# Altium PCB CanMainControl.PcbDoc (continued)
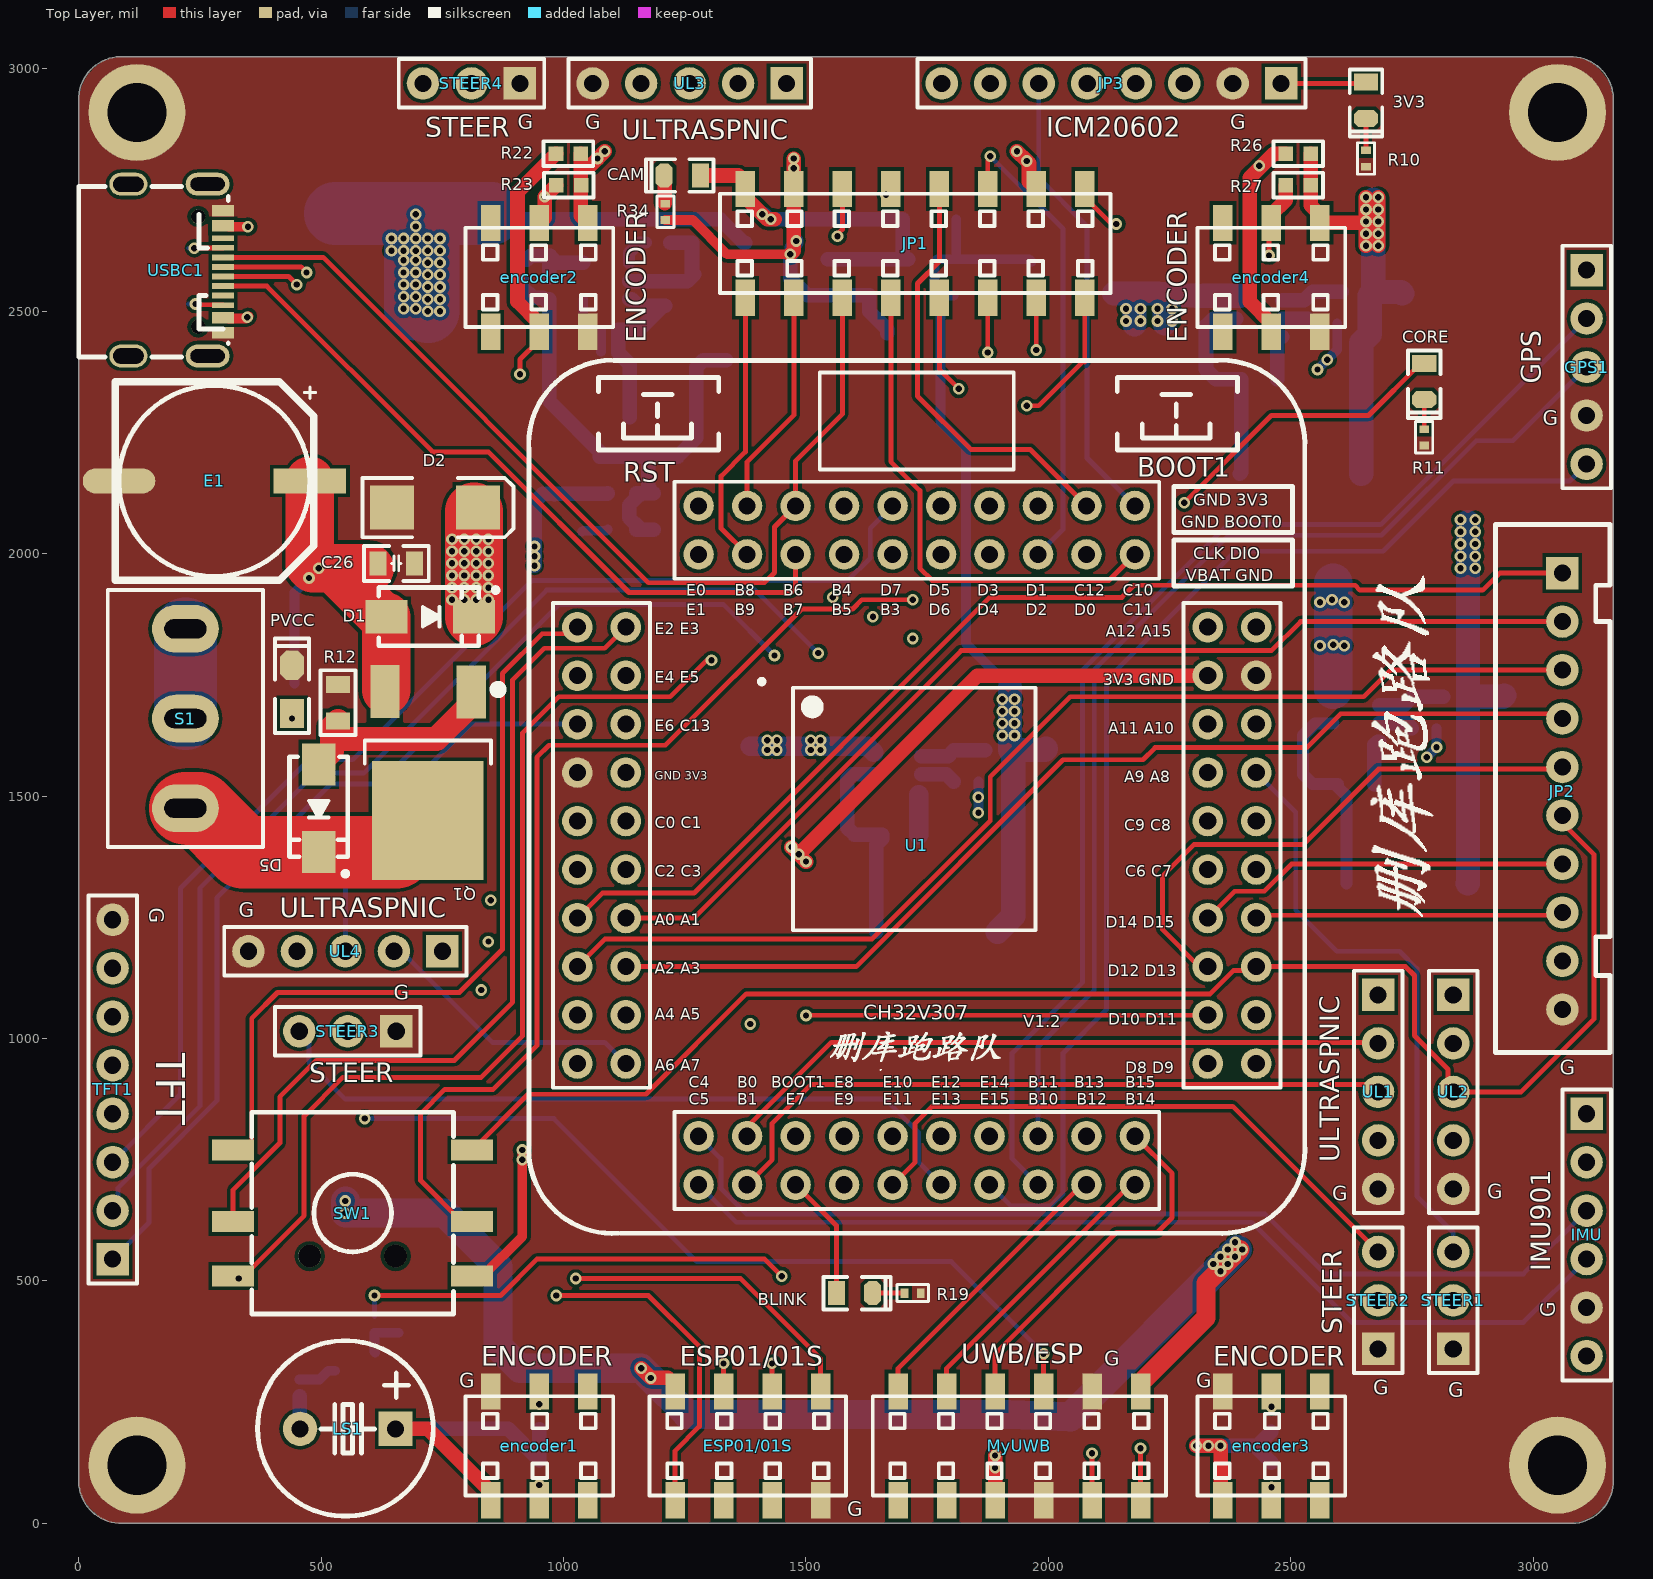
[diagram p0: Top Layer view]
## Footprints (in the part's own frame and the unit in brackets; to place one, negate y for a bottom-side part, rotate by r counter-clockwise, add the part's x,y. Pads: shape width x height; smd on the part's side, far side on the other; paste and mask are expansions set on the pad) (continued)
  silkscreen extent -6.73,-4.06 6.73,4.06, body extent -6.6,-3.95 6.6,3.95, height 30.12
R0402_L [mm] "1/16W贴片电阻"
  rect 0.4x0.5 smd: 1(-0.425,0) 2(0.425,0)
  silkscreen extent -0.82,-0.45 0.83,0.45, body extent -0.5,-0.25 0.5,0.25, height 0.3
R0603_L [mil] "1/10W贴片电阻"
  rect 30x30 smd: 1(-25.59,0) 2(25.59,0)
  silkscreen extent -51,-26 51,26, body extent -31,-16 32,16, height 16
R0805_L [mil] "1/8W贴片电阻"
  rect 35x50 smd: 1(-37.4,0) 2(37.4,0)
  silkscreen extent -67,-36 67,36, body extent -39,-25 39,25, height 20
SMA [mm] "4.5x2.6*2.2mm（长宽高，不包括引脚）联系卖家 免费查找封装"
  rect 2.2x1.75 smd: 1(-2.3,0) 2(2.3,0)
  silkscreen extent -2.7,-1.52 3.56,1.52, body extent -2.55,-1.3 2.55,1.3, height 2.15
SMB [mm] "DO-214-AA/SMB; 2 C-Bend Leads; Body 5.3 x 3.6 mm, inc. leads (LxW)"
  rect 2.3x2.3 smd: 1(-2.25,0) 2(2.25,0)
  silkscreen extent -3.8,-1.55 4.1,1.55
SOD-323 [mm] "1.8x1.3X0.9mm（长宽高，不包括引脚）联系卖家 免费查找封装"
  rect 1x0.8 smd: 1(-1.4,0)
  oct 1x0.8 smd: 2(1.4,0)
  silkscreen extent -2.11,-0.76 2.11,0.76, body extent -1.32,-0.65 1.32,0.65, height 0.95
SOT23-3N [mm] "SOT23, 3-Leads, Body 2.9x1.3mm, Pitch 0.95mm, Lead Span 2.4mm, IPC Medium Density"
  rect 1.3x0.6 smd: 1(-1.05,0.95) 2(-1.05,-0.95) 3(1.05,0)
  silkscreen extent -1.18,-1.5 0.7,1.92, body extent -1.2,-1.5 1.2,1.5, height 1.05
SOT23-5 [mm] "SOT23, 5-Leads, Body 2.9x1.6mm, Pitch 0.95mm, IPC Medium Density                联系卖家 免费查找封装"
  rect 1.05x0.6 smd: 1(-1.2,0.95) 2(-1.2,0) 3(-1.2,-0.95) 4(1.2,-0.95) 5(1.2,0.95)
  silkscreen extent -1.32,-1.55 0.3,1.92, body extent -1.4,-1.5 1.4,1.5, height 1.15
SOT23-6 [mm] "SOT-23, 6-Leads, Body 2.90x1.60mm, Pitch 0.95mm, IPC High Density"
  rect 0.9x0.6 smd: 1(-1.2,0.95) 2(-1.2,0) 3(-1.2,-0.95) 4(1.2,-0.95) 5(1.2,0) 6(1.2,0.95)
  silkscreen extent -1.32,-1.55 0.35,1.92, body extent -1.4,-1.5 1.4,1.5, height 1.15
SOT23-6N [mm] "SOT-23, 6-Leads, Body 2.90x1.60mm, Pitch 0.95mm, IPC Medium Density"
  rect 1.1x0.6 smd: 1(-1.2,0.95) 2(-1.2,0) 3(-1.2,-0.95) 4(1.2,-0.95) 5(1.2,0) 6(1.2,0.95)
  silkscreen extent -1.32,-1.55 0.25,1.92, body extent -1.4,-1.5 1.4,1.5, height 1.15
"SW 10x10x9-5Key-LS" [mm] "6脚，长：10.5，宽：10，高：9mm"
  round 1.2 hole 1.2: 0(-2.25,2.25) 0(2.25,2.25)
  rect 2.2x1.1 smd: 1(-6.262,3.3) 2(-6.262,0.45) 3(-6.262,-3.3) 4(6.262,-3.3) 5(6.262,0.45) 6(6.262,3.3)
  silkscreen extent -5.29,-5.29 5.29,5.29, body extent -6.5,-5.16 6.5,5.16, height 0.15
TO252 [mil] "252晶体管                联系卖家 免费查找封装"
  rect 60x110 smd: 1(-89.55,-119.77) 3(88.45,-120.77)
  rect 230x245 smd: 2(0,145.35)
  silkscreen extent -153,-133 130,28, body extent -133,-155 133,243, height 98
USB-C-SMD_TYPE-C-USB-5 [mm]
  oval 1.2x2.3 hole 0.7 slot 1.8 at 90 deg: 0(-4.5,1.675) 0(4.5,1.675)
  oval 1.2x2 hole 0.8 slot 1.6 at 90 deg: 0(-4.5,-2.475) 0(4.5,-2.475)
  rect 0.3x1.15 smd: A1(-3.263,2.473) A4(-2.462,2.471) A5(-1.162,2.475) A6(-0.162,2.475) A7(0.337,2.473) A9(2.638,2.475) A12(3.438,2.475) B1(3.138,2.475) B4(2.337,2.475) B5(1.838,2.475) B6(0.838,2.475) B7(-0.663,2.473) B9(-2.162,2.471) B12(-2.963,2.473)
  rect 0.3x1.148 smd: A8(-1.663,2.475) B8(1.337,2.475)
  round 0.75 hole 0.75 unplated: ""(-2.803,1.175) ""(2.978,1.175)
  silkscreen extent -4.38,-5.08 4.56,2.75, body extent -4.34,-5.14 4.6,2.76, height 3.25
XH2.54-LI-10P [mm] "接插件，10P"
  rect 1.7x1.7 hole 0.9: 1(-11.43,0)
  round 1.7 hole 0.9: 2(-8.89,0) 3(-6.35,0) 4(-3.81,0) 5(-1.27,0) 6(1.27,0) 7(3.81,0) 8(6.35,0) 9(8.89,0) 10(11.43,0)
  silkscreen extent -13.97,-3.5 13.69,2.5, body extent -13.93,-3.3 13.93,2.4, height 1.99

## Part data
3V3 BLINK CAM CORE PVCC: library part LED-SMD, "贴片LED"
C1 C2 C3 C4 C5 C6 C7 C9 C10 C11 C12 C13 C14 C15 C16 C17 C18 C19 C20 C21 C22 C23 C24 C25 C26 C27 C28 C29 C30 C31 C32 C33 C34 C35 C36: library part C, "贴片电容/MLCC电容"
C8: library part C, "陶瓷电容"
D1: library part Diode_SMA, "Diode"
D3 D4: "40V"
D5: "肖特基二极管"
D6: library part SS14, "肖特基二极管"
E1: library part CE_SMD, "贴片电解电容"
encoder1 encoder2 encoder3 encoder4: library part "Header 3X2", "3*2P接插件"
ESP01/01S: "4*2P接插件"
GPS1 UL1 UL2 UL3 UL4: library part "Header 5", "5P接插件"
IMU: library part "Header 6", "6P接插件"
JP1: "8*2P接插件"
JP2: library part "Header 10", "10P接插件"
JP3 TFT1: library part "Header 8", "8P接插件"
L1: library part "L-Molding Choke", "一体成型电感"
L2 L3 L5: library part L, "贴片小功率电感"
LS1: library part BEEP, "蜂鸣器"
MyUWB: library part "Header  6X2", "6*2P接插件"
Q1: "P沟道 50V/15A"
Q2: library part 8050-SMD, "高频放大-NPN型"
R1 R2 R3 R4 R5 R6 R7 R8 R9 R10 R11 R12 R13 R14 R15 R16 R17 R18 R19 R20 R21 R22 R23 R24 R25 R26 R27 R28 R29 R30 R33 R34 R35 R36: library part R, "贴片电阻"
S1: "MTS10x系列3脚扭子开关"
STEER1 STEER2 STEER3 STEER4: library part "Header 3", "3P接插件"
SW1: library part five_key
TPS1 TPS2 TPS3: library part tps
U3: library part RT9013-33
USBC1: library part "USB2.0 Type-C 16Pin母座", "USB2.0 Type-C 母座 16Pin", BOM_Manufacturer=LCSC, BOM_Manufacturer Part=-, BOM_Supplier=LCSC, spicePre=U, spiceSymbolName="TYPE-C 3.1 -16P_C168689"

## Free pads (board coordinates)
  round 200 hole 122.05: ""(120,120) ""(120,2910) ""(3050,120) ""(3050,2910)

## Via types
v1: diameter 24, hole 13, Top Layer to Bottom Layer, tented both sides, 196 vias

## Nets (pads, with @x,y where several pads share a name; then routed paths per layer and width w, separated by ;. In a path a pad name is that pad's centre, name@x,y a point inside that pad or via, vN(x,y) a via of type N, cw(c..) or ccw(c..) an arc to the next point about the centre after c; other vN are vias at no path point)
3V3: 3V3.1 C21.1 C22.1 ESP01/01S.1 JP3.1 L3.2 MyUWB.2 R8.1 R35.1 R36.1 TFT1.7 | length 7758.9
  Top Layer w10: JP3.1 2652.59,2970 3V3.1
  Top Layer w30: v1(1160,320) v1(1180,300) 1214.92,300 1230,284.92 ESP01/01S.1
  Top Layer w40: MyUWB.2 2190,289.53 2325,424.53 2325,495 v1@2395,565
  Signal w50: JP3.1 2595,2970 2880,2685 v1(2880,2070) v1(2880,2045) v1(2880,2020) v1(2880,1995) v1(2880,1970) ; v1(2850,1970) v1(2850,1995) v1(2850,2020) v1(2850,2045) v1(2850,2070)
  Power w30: TFT1.7 v1(550,665) v1(550,640)
  Power w60: v1(2340,535) v1(2355,550) v1(2370,565) v1(2385,580) ; v1(2355,520) v1(2370,535) v1(2385,550) v1(2400,565) v1(2385,580) ; v1(2850,1970) v1(2850,1995) v1(2850,2020) v1(2850,2045) v1(2850,2070) v1(2880,2070) v1(2880,2045) v1(2880,2020) v1(2880,1995) v1(2880,1970) 2880,1966.21 2863.18,1949.39 2863.18,1449.04 2515,1100.86 2515,760 2410,655 2410,605 v1(2385,580)
  Bottom Layer w50: L3.2 2865.59,1320.59 R8.1 ; 2865,2065 2865.59,2064.41 R8.1 ; C21.1 2937.4,1705 R8.1
  Bottom Layer w60: v1(550,665) v1(550,640) 755,640 865,530 865,365 910,320 v1(1160,320) v1(1180,300) 1255,225 1917.94,225 2045.04,220.04 v1@2390,565
3V3_CAM: C35.2 C36.2 CAM.1 D6.1 JP1.16 U3.5 | length 752.4
  Top Layer w10: JP1.16@1359.92,2780 1375,2764.92 JP1.16
  Top Layer w30: CAM.1 JP1.16@1359.92,2780 ; JP1.16 1375,2734.88 1419.88,2690 v1(1427.44,2690) v1@1435,2690
  Bottom Layer w30: v1(1410,2700) 1413.72,2700 1423.72,2690 v1(1427.44,2690) D6.1 1699.88,2614.21 U3.5@1706.69,2607.4 ; C35.2 U3.5@1706.69,2607.4 ; U3.5 U3.5@1706.69,2607.4
3V3_core: C24.2 C25.2 CORE.1 SW1.1 U1.7 U1.57 U4.5 | length 5215.9
  Top Layer w10: v1(2280,2105) 2460,2285 2660.09,2285 2767.5,2392.4 CORE.1
  Top Layer w20: SW1.1 833.19,510.08 915,591.89 v1(915,750) v1(915,770)
  Top Layer w30: v1(1470,1395) v1(1485,1380) ; v1(1500,1365) v1(1485,1380) ; U1.57 1853.5,1748.5 v1(1485,1380)
  Signal w10: v1(2280,2105) 2280,1835.5 2320.5,1795 2320.5,1756.51 U1.57
  Signal w15: v1(940,2015) v1(940,1995) v1(940,1975) 1015,1975 1075,1915 1075,1600 1126.5,1548.5 U1.7
  Power w15: v1(915,750) v1(915,770) 930,785 930,1465 965,1500 1070,1500 1110.5,1540.5 1120.5,1540.5 U1.7 1075,1602.01 1075,1915 1015,1975 v1(940,1975) v1(940,1995) v1(940,2015)
  Power w30: U1.7 1316.5,1548.5 v1(1470,1395) v1(1485,1380) v1(1500,1365)
  Bottom Layer w30: v1(940,1975) v1(940,1995) v1(940,2015) 940,2106.28 957.57,2123.86 C25.2@981.14,2123.86 ; C25.2 C25.2@981.14,2123.86 ; U4.5 1090.45,2123.86 C25.2@981.14,2123.86
5V: C15.1 C16.1 encoder1.2 encoder2.2 encoder3.2 encoder4.2 GPS1.1 L2.2 LS1.1 R5.1 R20.2 R21.2 R22.2 R23.2 R24.2 R25.2 R26.2 R27.2 STEER3.2 STEER4.2 UL3.1 UL4.1 USBC1.A4 USBC1.A9 USBC1.B4 USBC1.B9 | length 10830.2
  Top Layer w20: USBC1.B9@309.92,2674.23 v1(348.96,2674.23) 349.86,2675.14 v1@350,2675 ; USBC1.A9@310.08,2485.25 345.25,2485.25 v1(347.62,2487.62) v1@350,2490
  Top Layer w30: LS1.1 720.12,195 850,65.12 encoder1.2 ; R22.2 1035.59,2800 ; encoder2.2 1035.59,2696.62 1035.59,2800 ; v1(1085,2830) v1(1070,2815) 1055,2800 1035.59,2800 ; v1(2305,160) v1(2330,160) v1(2355,160) 2355,52.8 encoder3.2 ; R26.2 R27.2 2540.59,2718.94 2560,2699.53 encoder4.2 2652.2,2682.2 v1(2655,2685) ; v1(2655,2635) v1(2655,2660) v1(2655,2685) ; v1(2655,2735) v1(2655,2710) v1(2655,2685) ; v1(2680,2635) v1(2680,2660) v1(2680,2685) v1(2680,2710) ; v1(2680,2735) v1(2680,2710) ; v1(2655,2685) v1(2680,2710)
  Power w40: LS1.1@663.43,205 2260,205 v1(2305,160) v1(2330,160) v1@2345,160
  Power w70: STEER3.2 555,944.29 584.29,915 730.71,915 ; LS1.1 663.43,205 752.85,294.43 752.85,667.15 760,674.29 760,915 730.71,915 ; STEER4.2 810,2865 ; v1(1070,2815) v1(1085,2830) 1085,2870 ; UL3.1 1460,2870 ; v1(2655,2635) v1(2655,2660) v1(2655,2685) v1(2655,2710) v1(2655,2735) 2505,2885 1645,2885 1630,2870 1460,2870 ; v1(2680,2635) v1(2680,2660) v1(2680,2685) v1(2680,2710) ; v1(2680,2735) v1(2680,2710) ; GPS1.1 2985,2710 v1(2680,2710) ; 730.71,915 760,944.29 760,1170 UL4.1 750,1270 680,1340 430,1340 355,1415 355,2480.25 v1(347.62,2487.62) 370,2510 370,2653.19 v1(348.96,2674.23) 390,2715.27 390,2840 365,2865 810,2865 ; 810,2865 855,2865 860,2870 1085,2870 ; 1085,2870 1460,2870
  Bottom Layer w30: LS1.1 885.58,195 R21.2 R20.2 ; v1(2305,160) v1(2330,160) v1(2355,160) 2430.59,160 ; R25.2 2430.59,154.99 2430.59,160 ; R24.2 2430.59,160
  Bottom Layer w50: L2.2 2645,2434.91 2662.6,2452.5 C15.1 2662.6,2532.6 R5.1@2670,2540 ; v1@2670,2730 R5.1@2670,2540 ; C16.1 2726.67,2540 R5.1@2670,2540
5V_A: C31.1 C32.1 C33.1 C34.1 D6.2 IMU.2 L5.2 MyUWB.7 R29.1 STEER1.2 STEER2.2 U3.1 U3.3 UL1.1 UL2.1 | length 6305
  Top Layer w30: MyUWB.7 v1(1890,140)
  Power w10: UL1.1@2670,1100 UL1.1 ; STEER1.2 STEER1.2@2835,465 ; IMU.2@3110,740 IMU.2
  Power w20: v1(1890,140) v1(1890,115) 2500,115 2610,225 2610,460
  Power w30: v1(1905,1625) v1(1905,1650) v1(1905,1675) v1(1905,1700) ; v1(1930,1625) v1(1930,1650) v1(1930,1675) v1(1930,1700)
  Power w50: v1(1905,1625) 1930,1600 ; v1(1930,1625) 1930,1600 ; STEER1.2 STEER2.2 2610,460 ; STEER1.2@2835,465 IMU.2@3110,740 ; UL2.1 UL1.1 2600,1010 2600,470 2610,460 ; 1930,1600 1930,1295 2125,1100 2125,995 2270,850 2270,465 2345,390 2540,390 2610,460
  Bottom Layer w20: U3.3 1777.4,2532.6 ; D6.2 1810.12,2612.52 U3.1 ; 1920.59,1724.41 1830.01,1814.99 1830.01,2219.99 1777.4,2272.6 1777.4,2532.6 ; C33.1 1960.01,2607.4 U3.1 ; 1777.4,2532.6 1765,2545 1765,2601.54 1770.86,2607.4 U3.1
  Bottom Layer w50: L5.2 1927.6,1252.6 C31.1 1927.6,1588 1934.6,1595 1992.4,1595 C32.1 ; R29.1 1920.59,1700 1920.59,1724.41
5V_core: C5.2 C9.1 C10.2 L1.2 R2.2 U4.1 U4.3 | length 1130.2
  Bottom Layer w30: C5.2 915,2550 937.36,2527.64 957.36,2527.64 960.23,2524.77 R2.2 970,2315 1085,2200 ; 1075.01,2200 1085,2200 ; 1154.67,2049.68 1154.67,2049.82 ; U4.3 1154.67,2049.82 ; U4.1 U4.1@1183.22,2124.63 ; C10.2 C9.1 1288.03,2398.78 1273.9,2384.65 L1.2 1273.9,2238.9 1235,2200 1175,2200 ; 1085,2200 1175,2200 ; 1154.67,2049.82 1149.82,2049.82 1154.67,2054.67 ; 1154.67,2049.82 1154.67,2054.67 ; 1154.67,2054.67 1135,2074.34 1135,2100.11 1154.57,2119.68 1149.63,2124.63 U4.1@1183.22,2124.63 ; 1175,2200 1175,2135.33 1180.04,2130.3 1180.04,2127.81 U4.1@1183.22,2124.63
A0: JP2.1 U1.14 | length 2334.5
  Top Layer w10: U1.14 1080,1300 1268.94,1300 1878.94,1910 2151.51,1910 2176.51,1935 2632.5,1935 2642.5,1925 2895.77,1925 2930.77,1960 JP2.1
A1: JP2.2 U1.13 | length 2184.8
  Top Layer w10: U1.13 1268.5,1248.5 1820,1800 2460,1800 2520,1860 JP2.2
A2: JP2.3 U1.16 | length 2338.1
  Top Layer w10: U1.16 1085.01,1205.01 1635.97,1205.01 1880,1449.04 1880,1540 2045.01,1705.01 2650.05,1705.01 2705.04,1760 JP2.3
A3: JP2.4 U1.15 | length 2151.6
  Top Layer w10: U1.15 1603.5,1148.5 2030,1575 2195,1575 2220,1600 2532.5,1600 2602.5,1670 3050,1670 JP2.4
A4: JP1.10 U1.18 | length 2964.8
  Signal w10: v1(845,1200) 877.01,1200 U1.18
  Power w10: v1(845,1200) 845,1256.06 815,1286.06 815,1725.96 588,1952.96 588,2682.04 675.96,2770 975,2770 1010,2735 1660,2735 v1(1665,2740)
A5: JP1.12 U1.17 | length 3018.6
  Top Layer w10: v1(1565,2655) 1565,2658.79 1575,2668.79 JP1.12
  Signal w10: v1(850,1285) 850,1265.5 1020.93,1094.57 1043.96,1094.57 1082.01,1056.51 1120.5,1056.51 U1.17
  Power w10: v1(850,1285) 850,1715 605,1960 605,2675 680,2750 820,2750 865,2705 1295,2705 1340,2660 1431.38,2660 1440.38,2669 1551,2669 v1(1565,2655)
A6: JP1.2 U1.20 | length 3752.2
  Top Layer w10: JP1.2 2075,2734.88 2127.2,2682.68 2137.32,2682.68 v1(2140,2680)
  Signal w10: v1(830,1100) 877.01,1100 U1.20
  Power w10: v1(830,1100) 830,1181.06 798,1213.06 798,1717 571,1944 571,2689.08 668.92,2787 1010,2787 1045,2752 1465.94,2752 1508.94,2795 1832.5,2795 1947.5,2680 v1(2140,2680)
A7: U1.19 UL4.2 | length 574.4
  Bottom Layer w10: UL4.2 665,1180 853,992 1085.01,992 U1.19
A8: STEER1.3 U1.54 | length 1232.5
  Bottom Layer w10: U1.54 2510,1467.01 2510,1265 2595,1180 2724.14,1180 2760,1144.14 2760,675 2835,600 STEER1.3
A9: JP1.1 U1.53 | length 1203.4
  Top Layer w10: v1(1955,2305) 1980,2305 2075,2400 ; 2075,2395 2075,2400 ; JP1.1 2075,2400
  Signal w10: v1(1955,2305) 2030,2230 2030,1847.01 U1.53
A10: JP1.3 U1.56 | length 1137.4
  Top Layer w10: v1(1975,2420) JP1.3
  Signal w10: v1(1975,2420) 2095,2420 2385.01,2129.99 2385.01,1730.49 2420.5,1695 2420.5,1656.51 U1.56
A11: U1.55 USBC1.A7 | length 2413.5
  Top Layer w10: USBC1.A7 433.28,2571.72 v1(450,2555)
  Signal w10: v1(450,2555) 805,2200 865,2200 1236,1829 1716,1829 v1(1720,1825)
  Power w10: v1(1720,1825) 2152.01,1825 U1.55
A12: U1.59 USBC1.A6 | length 2338.8
  Top Layer w10: USBC1.A6 458.61,2591.39 v1(470,2580)
  Signal w10: v1(470,2580) 820,2230 865,2230 1225,1870 v1(1638,1870)
  Power w10: v1(1638,1870) 2190,1870 2211.5,1848.5 U1.59
A15: JP2.9 U1.60 | length 950.1
  Signal w10: U1.60 2438.64,1838.36 2438.64,1806.36 3049.11,1195.89 3049.11,1170.89 JP2.9
B0: U1.23 UL1.2 | length 1394.2
  Top Layer w10: U1.23 1378.5,818.5 1552,992 2678,992 UL1.2
B1: U1.24 UL1.3 | length 1437.2
  Top Layer w10: U1.24 1430,750 1430,825 1510,905 2665,905 UL1.3
B3: JP3.3 U1.71 | length 1220.6
  Signal w10: U1.71 1722,2042 1722,2412 JP3.3
B4: JP3.5 U1.74 | length 1079.2
  Signal w10: U1.74 1578.5,2358.5 2080,2860 JP3.5
B5: JP3.4 U1.73 | length 1220.6
  Signal w10: U1.73 1630,2050 1630,2360 2180,2910 JP3.4
B6: JP1.11 U1.76 USBC1.B7 | length 2049.2
  Top Layer w10: USBC1.B7 503.91,2611.09 1175,1940 1414.14,1940 1435.01,1960.87 1435.01,2055.01 U1.76 1478.5,2191.5 1575,2287.99 JP1.11
B7: U1.75 USBC1.B6 | length 1515.9
  Top Layer w10: USBC1.B6 387.97,2552.03 730,2210 845,2210 1135,1920 1469.14,1920 1478.5,1929.36 U1.75
B8: JP1.13 U1.78 | length 469.3
  Top Layer w10: U1.78 1378.5,2189.46 1475,2285.96 JP1.13
B9: JP1.15 U1.77 | length 572.2
  Top Layer w10: JP1.15 1375,2210 1325,2160 1325,2052.01 U1.77
B10: GPS1.2 U1.36 | length 2484
  Bottom Layer w10: U1.36 1925,752.01 1925,970 2070,1115 2070,1760 2370,2060 2685,2060 GPS1.2
B11: GPS1.3 U1.35 | length 2284.2
  Bottom Layer w10: U1.35 1978.5,983.5 2094.52,1099.52 2094.52,1760.48 2372.02,2037.98 2687.02,2037.98 2882.02,2232.98 2957.98,2232.98 GPS1.3
B12: MyUWB.12 U1.38 | length 593.1
  Top Layer w10: MyUWB.12 1690,320 2060.5,690.5 2070.5,690.5 U1.38
B13: MyUWB.6 TFT1.6 U1.37 | length 2770.8
  Top Layer w10: MyUWB.6 v1(1990,350)
  Signal w10: TFT1.6 275,1045 485,835 v1(590,835)
  Power w10: v1(1990,350) 2030.52,390.52 2030.52,750.52 U1.37
  Bottom Layer w10: v1(590,835) 980,835 1275,540 1800,540 v1(1990,350)
B14: MyUWB.10 U1.40 | length 593.1
  Top Layer w10: MyUWB.10 1790,320 2168.5,698.5 U1.40
B15: MyUWB.8 TFT1.5 U1.39 | length 3184.5
  Top Layer w10: MyUWB.8 1890,350 2140,600 2224.14,600 2255,630.86 2255,722.01 U1.39
  Signal w10: TFT1.5 220,945 445,720 990,720 1300,1030 v1(1385,1030)
  Power w10: v1(1385,1030) 1497.02,917.98 2059.03,917.98 U1.39
BOOT1: U1.25
C0: ESP01/01S.2 U1.10 | length 1685.4
  Top Layer w10: v1(985,470) 1175,470 1280,365 1280,200 1230,150 ESP01/01S.2
  Power w10: v1(985,470) 970,485 970,1390 U1.10
C1: ESP01/01S.7 U1.9 | length 1715.7
  Top Layer w10: v1(1025,505) 1365,505 1530,340 ESP01/01S.7
  Power w10: v1(1025,505) 1025,730 1235,940 1235,1342.01 U1.9
C2: MyUWB.3 U1.12 | length 1915
  Top Layer w10: MyUWB.3 2090,125 v1(2090,145)
  Signal w10: U1.12 1077.01,1300 1375,1300 1735,940 1735,500 v1(2090,145)
C3: MyUWB.1 U1.11 | length 1909.1
  Top Layer w10: MyUWB.1 v1(2190,155)
  Signal w10: U1.11 1132.01,1345 1420,1345 1825,940 1825,595 2190,230 v1(2190,155)
C4: IMU.3 U1.21 | length 2039.2
  Bottom Layer w10: U1.21 1324.57,752.44 1324.57,690.93 1377.5,638 2447,638 2570.46,514.54 2979.54,514.54 IMU.3
C5: IMU.4 U1.22 | length 2003.2
  Bottom Layer w10: U1.22 1356.01,621 2419,621 2625.46,414.54 2979.54,414.54 IMU.4
C6: encoder2.4 R23.1 U1.49 | length 2453.3
  Top Layer w30: encoder2.4 960.86,2693.06 v1(960.86,2735.86) R23.1
  Signal w10: v1(960.86,2735.86) 1050,2646.72 1050,2085 1225,1910 v1(1555,1910)
  Power w10: v1(1555,1910) 1555,1875 1640,1790 2005,1790 2115,1680 2115,1600.5 2320.5,1395 2320.5,1356.51 U1.49
C7: encoder2.3 R22.1 U1.50 | length 3051.9
  Top Layer w10: v1(910,2370) 910,2400.47 950,2440.47 encoder2.3
  Top Layer w30: encoder2.3 950,2475.12 905,2520.12 905,2745.59 R22.1
  Power w10: v1(910,2370) 2280,2370 2520,2130 2520,1440 U1.50
C8: JP1.5 U1.52 | length 1384.4
  Top Layer w10: v1(1875,2415) JP1.5
  Signal w10: v1(1875,2415) 1934.39,2415 2237.5,2111.89 2237.5,1752.5 2290,1700 2360,1700 2385.01,1674.99 2385.01,1492 U1.52
C9: JP1.7 U1.51 | length 1308.6
  Top Layer w10: JP1.7 1775,2380 v1(1815,2340)
  Signal w10: v1(1815,2340) 1925,2230 1925,1852.01 U1.51
C10: JP3.6 U1.62 | length 953.7
  Bottom Layer w10: JP3.6 1980,2775 2079.63,2675.37 2079.63,2197.38 U1.62
C11: JP1.9 U1.61 | length 1058.7
  Top Layer w10: JP1.9 1675,2190 1735.01,2129.99 1735.01,1969.99 1760,1945 2125,1945 U1.61
C12: JP1.8 U1.64 | length 888.2
  Top Layer w10: JP1.8 1775,2602.25 1730,2557.25 1730,2325 1840,2215 1962.01,2215 U1.64
C13: U1.5
D0: TFT1.1 U1.63 | length 3420.3
  Power w10: v1(1435,1790) 1435,2135 1490,2190 1975,2190 2032.44,2132.56 2032.44,2044.57 U1.63
  Bottom Layer w10: TFT1.1 145,620 145,731.66 285,871.66 285,1290 520,1525 620,1525 990,1895 1330,1895 v1(1435,1790)
D1: encoder4.4 R27.1 U1.66 | length 1256.3
  Top Layer w10: v1(2455,2615) 2455,2677.2 encoder4.4
  Top Layer w30: encoder4.4 2460,2699.53 2489.41,2728.93 R27.1
  Signal w10: U1.66 1978.5,2231.5 1830,2380 1830,2434.14 2010.86,2615 v1(2455,2615)
D2: JP1.6 U1.65 | length 974.8
  Top Layer w10: JP1.6 1875,2811.21 1880,2816.21 v1(1880,2820)
  Bottom Layer w10: v1(1880,2820) 2030,2670 2030,2050 U1.65
D3: encoder4.3 R26.1 U1.68 | length 1624.7
  Top Layer w30: encoder4.3 2460,2475.12 2415,2520.12 2415,2775 2465,2825 R26.1
  Signal w10: U1.68 1878.5,2166.5 1760,2285 1760,2404.14 2155.86,2800 v1(2435,2800)
D4: TFT1.2 U1.67 | length 2920.9
  Power w10: v1(1525,1795) 1525,2006.51 1560.49,2042 1835.01,2042 U1.67
  Bottom Layer w10: TFT1.2 80.89,655.89 80.89,691.6 250,860.7 250,1310 487.5,1547.5 587.5,1547.5 965,1925 1395,1925 v1(1525,1795)
D5: U1.70
D6: SW1.2 U1.69 UL2.2 | length 3798.3
  Top Layer w10: SW1.2 789.88,622.28 705,707.17 705,845 755,895 855,895 945,985 945,1580 970,1605 1210,1605 1491,1886 1596,1886 1615,1905 v1(1720,1905)
  Signal w10: v1(1720,1905) 1720,1940 U1.69 1778.5,1891.5 2264.99,1405.01 2524.99,1405.01 2752.05,1177.95 2752.05,1072.95 UL2.2
D7: TFT1.3 U1.72 | length 2454.1
  Bottom Layer w10: TFT1.3 210,885 210,1310 475,1575 565,1575 935,1945 1586.51,1945 1632.44,1990.93 1632.44,2052.44 U1.72
D8: U1.41
D9: encoder3.4 R25.1 U1.42 | length 887.1
  Signal w10: U1.42 2428.5,105.9 v1(2460,74.41)
D10: TFT1.4 U1.43 | length 2471
  Top Layer w10: v1(1500,1047.5) 1500.5,1048 2328,1048 U1.43
  Signal w10: TFT1.4 220,695 1000,695 1270,965 1420,965 1500,1045 v1(1500,1047.5) v1@1500,1050
D11: encoder3.3 R24.1 U1.44 | length 830.9
  Signal w10: U1.44 2472,1005.01 2472,256.38 2460,244.38 v1(2460,240.59)
D12: JP2.5 U1.45 | length 1153.4
  Top Layer w10: U1.45 2311.5,1148.5 2235,1225 2235,1335 2300,1400 2525,1400 2681,1556 3056,1556 JP2.5
D13: JP2.6 SW1.3 U1.46 UL2.3 | length 3180.1
  Top Layer w10: SW1.3 926.61,885 1170,885 1377,1092 2333.51,1092 2382.01,1140.5 2420.5,1140.5 U1.46 2736.5,1148.5 2755,1130 2755,1005.7 2824.11,936.6 2824.11,900.89 UL2.3 2975,890 3125,1040 3125,1380 3070.89,1434.11 3070.89,1449.11 JP2.6
D14: JP2.7 U1.47 | length 777.7
  Top Layer w10: U1.47 2383.88,1303.88 2445.39,1303.88 2501.51,1360 JP2.7
D15: JP2.8 U1.48 | length 636.3
  Top Layer w10: U1.48 2434.25,1254.25 3054.25,1254.25 JP2.8
E0: U1.80 UL3.2 | length 905.3
  Signal w10: U1.80 1360,2180 UL3.2
E1: SW1.6 U1.79 UL3.3 | length 3232.3
  Top Layer w10: SW1.6 340.12,510.08 465,634.96 465,840 545,920 830,920 915,1005 915,1630 990,1705 1220,1705 1295,1780 v1(1305,1780)
  Signal w10: UL3.3 1260,2480 1230,2450 1230,2047.01 U1.79
  Power w10: U1.79 1290,1987.01 1290,1795 v1(1305,1780)
  other v1: 330,505
E2: SW1.4 U1.2 | length 1639.7
  Top Layer w10: SW1.4 340.12,769.92 356.77,786.57 356.77,1041.77 410,1095 785,1095 874,1184 874,1753.14 955.86,1835 1015,1835 U1.2
E3: SW1.5 U1.1 | length 1801.9
  Top Layer w10: SW1.5 318.46,687.99 415,784.53 415,880 490,955 775,955 895,1075 895,1740 960.01,1805.01 1085.01,1805.01 U1.1
E4: U1.4
E5: U1.3
E6: U1.6 UL4.3 | length 795.6
  Bottom Layer w10: UL4.3 550,1390 808.5,1648.5 U1.6
E7: BLINK.1 U1.26 | length 258.3
  Top Layer w10: U1.26 1562.6,614.41 BLINK.1
E8: U1.27
E9: encoder1.4 R21.1 U1.28 | length 1039.9
  Signal w10: v1(950,79.41) 950,157.37 926,181.36 926,286 1265,625 1466.51,625 1532.01,690.5 1570.5,690.5 U1.28
E10: U1.29
E11: encoder1.3 R20.1 STEER2.3 U1.30 | length 2155.6
  Top Layer w10: U1.30 1725,745 1725,825 1760,860 2380,860 STEER2.3
  Signal w10: v1(950,245.59) 1284.41,580 1560,580 U1.30
E12: U1.31
E13: STEER3.3 U1.32 | length 1517
  Bottom Layer w10: STEER3.3 475,995 475,950 550,875 1663.52,875 1732.44,806.08 1732.44,744.57 U1.32
E14: STEER4.3 U1.33 | length 3296.7
  Signal w10: STEER4.3 385,2645 385,2525 640,2270 640,1810 950,1500 1585,1500 1878.5,1206.5 U1.33
E15: GPS1.5 R16.1 U1.34 | length 3886.9
  Top Layer w10: v1(610,470) 870,470 945,545 1415,545 v1(1450,510)
  Power w10: v1(1450,510) 1690,510 U1.34
  Bottom Layer w10: R16.1 v1(610,470) ; U1.34 1922.01,655 2005,655 2030,680 2030,970 2120,1060 2120,1740 2385,2005 2690,2005 2835,2150 3075,2150 GPS1.5
GND: C1.1 C2.1 C3.1 C4.1 C8.1 C9.2 C10.1 C11.1 C12.1 C13.1 C15.2 C16.2 C17.1 C18.1 C19.1 C21.2 C22.2 C23.1 C24.1 C25.1 C26.2 C27.1 C28.1 C29.1 C31.2 C32.2 C33.2 C34.2 D2.1 D3.1 E1.2 encoder1.1 encoder2.1 encoder3.1 encoder4.1 ESP01/01S.8 GPS1.4 IMU.5 JP2.10 JP3.2 MyUWB.4 MyUWB.5 pad. PVCC.2 Q2.2 R1.1 R6.1 R9.1 R10.1 R11.1 R12.2 R14.2 R15.1 R18.1 R19.2 R30.1 R33.1 STEER1.1 STEER2.1 STEER3.1 STEER4.1 TFT1.8 TPS1.1 TPS2.1 TPS3.1 U1.8 U1.58 U2.2 U3.2 U4.2 UL1.5 UL2.5 UL3.5 UL4.5 USBC1.A1 USBC1.A12 USBC1.B1 USBC1.B12
GND_CAM: C35.1 C36.1 JP1.4 JP1.14 R33.2 R34.1 | length 1478.1
  Top Layer w20: R34.1 1266.73,2688.27 1337.5,2617.5 v1(1467.5,2617.5)
  Top Layer w30: v1(1467.5,2617.5) 1475,2625 JP1.14 v1(1475,2815) ; v1(1935,2830) v1(1955,2810) 1959.92,2805.08 1959.92,2767.28 JP1.4
  Signal w30: v1(1475,2795) v1(1475,2815) 1705,2815 1755,2865 1900,2865 v1(1935,2830) v1(1955,2810)
  Bottom Layer w30: v1(1480,2645) 1480,2641.21 1470.18,2631.39 1470.18,2620.18 v1(1467.5,2617.5) 1467.5,2567.5 1502.4,2532.6 C35.1 C36.1 1630,2500.1 1655.1,2475 1667.6,2462.5 R33.2
Net3V3_2: 3V3.2 R10.2 | length 65.9
  Top Layer w10: R10.2 3V3.2
NetBLINK_2: BLINK.2 R19.1 | length 65.9
  Top Layer w10: BLINK.2 R19.1
NetC5_1: C5.1 R1.2 R2.1 U2.3 | length 171.3
  Bottom Layer w30: C5.1@923.88,2606.12 932.52,2614.77 R1.2 ; 970,2570 R1.2 ; U2.3 987.13,2599.61 971.97,2614.77 R1.2
NetC6_1: C6.1 C7.1 D3.2 L1.1 U2.6 | length 384
  Bottom Layer w30: U2.6 1140.96,2524.81 1154.27,2511.5 D3.2@1205.94,2511.5 ; L1.1 1136.1,2391.15 1112.72,2414.53 C7.1 C6.1 1155.94,2461.5 D3.2@1205.94,2511.5 ; D3.2 D3.2@1205.94,2511.5
NetC6_2: C6.2 C7.2 U2.1 | length 131.6
  Bottom Layer w20: U2.1 1040.57,2484.43 1063.5,2461.5 C6.2 C7.2
NetC8_2: C8.2 D4.2 R3.2 U2.5 | length 252
  Bottom Layer w30: U2.5 1255.12,2562.21 C8.2 1264.88,2581.03 D4.2 1220,2641.5
NetC14_1: C14.1 L2.1 TPS1.2 | length 435.9
  Bottom Layer w30: TPS1.2 2340,2485 2325,2470 2325,2380 2345,2360 C14.1 2397.6,2167.6 L2.1
NetC14_2: C14.2 TPS1.6 | length 93.5
  Bottom Layer w30: C14.2 2472.4,2440.79 2479.21,2447.6 TPS1.6
NetC20_1: C20.1 L3.1 TPS2.2 | length 446.2
  Bottom Layer w25: TPS2.2 2550,1650 2525,1625 2525,1545.01 2545,1525 C20.1 2597.6,1517.5 2615,1500.1 L3.1
NetC20_2: C20.2 TPS2.6 | length 93.5
  Bottom Layer w30: C20.2 2672.4,1605.79 2679.21,1612.6 TPS2.6
NetC23_2: C23.2 U4.4 | length 55
  Bottom Layer w20: C23.2 1040.31,2047.6 1088.99,2047.6 U4.4
NetC30_1: C30.1 L5.1 TPS3.2 | length 445.9
  Bottom Layer w30: TPS3.2 1595,1545 1585,1535 1585,1435 1600,1420 C30.1 1657.6,1412.5 1645,1399.91 L5.1
NetC30_2: C30.2 TPS3.6 | length 82.7
  Bottom Layer w40: C30.2 TPS3.6@1732.4,1502.75
NetCAM_2: CAM.2 R34.2 | length 59.3
  Top Layer w10: CAM.2 CAM.2@1208.8,2778.8 ; R34.2@1208.8,2722.93 R34.2
  Top Layer w30: R34.2@1208.8,2722.93 CAM.2@1208.8,2778.8
NetCORE_2: CORE.2 R11.2 | length 60.9
  Top Layer w10: R11.2 CORE.2
NetD5_1: D5.1 Q1.1 R12.1 | length 448
  Top Layer w50: D5.1 522.5,1593.05 522.5,1617.87 ; R12.1 522.5,1642.7 522.5,1617.87 ; Q1.1 809.55,1689.77 737.65,1617.87 522.5,1617.87
NetD5_2: D5.2 Q1.2 S1.3 | length 564.5
  Top Layer w150: S1.3 248.31,1475 338.86,1384.45 D5.2 654.8,1384.45 Q1.2
NetESP01/01S_3: ESP01/01S.3 R35.2 | length 109.3
  Top Layer w10: ESP01/01S.3 v1(1330,330)
  Bottom Layer w10: R35.2 v1(1330,330)
NetESP01/01S_5: ESP01/01S.5 R36.2 | length 109.3
  Top Layer w10: ESP01/01S.5 v1(1430,330)
  Bottom Layer w10: R36.2 v1(1430,330)
NetLS1_2: LS1.2 R17.2 | length 68.9
  Bottom Layer w10: R17.2 R17.2@455.79,262.48 ; LS1.2@455.79,195.79 LS1.2
  Bottom Layer w30: LS1.2@455.79,195.79 R17.2@455.79,262.48
NetQ2_1: Q2.1 R16.2 R18.2 | length 91.4
  Bottom Layer w20: Q2.1 610,353.74 R16.2 R18.2
NetQ2_3: Q2.3 R17.1 | length 81.2
  Bottom Layer w20: R17.1 496.61,296.73 514.88,315 Q2.3
NetR3_1: R3.1 U2.4 | length 64.3
  Bottom Layer w25: U2.4 1135.05,2620.05 1156.5,2641.5 1170,2641.5
NetR4_1: R4.1 TPS1.5 | length 66.3
  Bottom Layer w30: TPS1.5 2534.41,2485 R4.1
NetR5_2: R5.2 R6.2 TPS1.4 | length 129.5
  Bottom Layer w30: TPS1.4 2527.4,2522.4 R6.2 R5.2
NetR7_1: R7.1 TPS2.5 | length 71.3
  Bottom Layer w30: TPS2.5 2739.41,1650 R7.1
NetR8_2: R8.2 R9.2 TPS2.4 | length 139.5
  Bottom Layer w30: TPS2.4 2732.4,1687.4 R9.2 R8.2
NetR13_2: PVCC.1 R13.2
  other v1: 440,1660
NetR14_1: R14.1 USBC1.B5 | length 71.7
  Top Layer w10: v1(240.87,2515) 242.31,2513.56 296.53,2513.56 USBC1.B5
  Bottom Layer w10: R14.1 v1(240.87,2515)
NetR15_2: R15.2 USBC1.A5 | length 71
  Top Layer w10: v1(238.37,2630) 238.75,2630.38 297.06,2630.38 USBC1.A5
  Bottom Layer w10: R15.2 v1(238.37,2630)
NetR28_1: R28.1 TPS3.5 | length 73.4
  Bottom Layer w30: TPS3.5 1789.41,1545 R28.1
NetR29_2: R29.2 R30.2 TPS3.4 | length 137.4
  Bottom Layer w30: TPS3.4 1792.99,1582.4 R30.2 1868.83,1594.41 R29.2
NetS1_1: S1.1 S1.2 | length 370.1
  Power w150: S1.2 S1.1
  Bottom Layer w130: S1.2 S1.1
VCC: C1.2 C2.2 C3.2 C4.2 C11.2 C12.2 C13.2 C17.2 C18.2 C19.2 C27.2 C28.2 C29.2 D1.2 D2.2 D4.1 R4.2 R7.2 R28.2 TPS1.3 TPS2.3 TPS3.3 | length 7635.5
  Top Layer w10: D2.2@815.55,2086.97 D2.2
  Top Layer w120: D1.2 D2.2@815.55,2086.97
  Power w60: v1(820,1955) v1(845,1980) ; 1205,1725 1205,1960 ; v1(1420,1615) v1(1440,1615) 1475,1615 ; v1(1510,1615) v1(1530,1615) 1720,1615 1855.59,1479.41 v1(1855.59,1465.59)
  Power w70: 751.25,2098.75 765,2085 1080,2085 1205,1960 ; 1205,1725 1315,1615 v1(1420,1615)
  Power w80: v1(745,2650) 1210,2650 1355,2505 v1(2160,2505) v1(2190,2505) v1(2225,2505) v1(2255,2505) 2450,2505 2587.6,2367.4 v1(2587.6,1812.5) 2785,1615.1 2785,1595
  Power w130: v1(745,2650) v1(720,2650) v1(695,2650) v1(695,2625) v1(695,2605) v1(695,2580) v1(695,2555) v1(695,2530) v1(695,2505) 695,2155 751.25,2098.75 ; 765,2085 v1(820,2030) v1(820,2005) v1(820,1980) v1(820,1955) v1(820,1930) v1(820,1905)
  Bottom Layer w20: v1@1855,1465 v1(1855.59,1465.59) v1(1855.59,1497.8) R28.2 ; v1(2555,2380) v1(2575.29,2400.29) 2595.59,2420.59 R4.2 ; v1(2780,1580) v1(2800.59,1600.59) R7.2
  Bottom Layer w30: C3.2 861.34,2690 1322.68,2690 1371.18,2641.5 D4.1
  Bottom Layer w40: C27.2 C28.2 C29.2 1627.4,1602.6 TPS3.3@1640,1590
  Bottom Layer w50: C12.2 2177.5,2536.67 ; 2177.5,2472.5 2177.5,2536.67 ; 2240,2475 2240,2535.62 2226.65,2536.32 C11.2 2177.5,2536.67 ; 2262.39,2534.44 2304.77,2532.21 2315,2531.67 2320.2,2531.67 2320.53,2532 TPS1.3@2395,2532
  Bottom Layer w80: 2587.6,1720 C19.2 v1(2587.6,1812.5) C18.2 C17.2
  Bottom Layer w130: C2.2 C1.2 670,2701.34 C4.2 C3.2 ; v1(695,2505) v1(695,2530) v1(695,2555) v1(695,2580) v1(695,2605) v1(695,2625) v1(695,2650) ; v1(720,2500) v1(720,2525) v1(720,2550) v1(720,2575) v1(720,2600) v1(720,2625) v1(720,2650)
  other v1: 1420,1595 1440,1595 1510,1595 1530,1595 2560,1810 2610,1810 2560,1900 2610,1900 770,1905 795,1905 845,1905 2585,1905 770,1930 795,1930 845,1930 770,1955 795,1955 845,1955 770,1980 795,1980 770,2005 795,2005 845,2005 770,2030 795,2030 845,2030 2160,2480 2190,2480 2225,2480 2255,2480 745,2500 670,2505 745,2525 670,2530 745,2550 670,2555 745,2575 670,2580 745,2600 670,2605 645,2625 670,2625 745,2625 645,2650 670,2650 695,2675 695,2700
VCC_IN: C26.1 D1.1 E1.1 Q1.3 R13.1 | length 859.6
  Top Layer w100: E1.1 476.85,1975.86 482.71,1970 525.59,1970 ; 600,1970 525.59,1970 ; Q1.3@634.45,1718.67 D1.1 625.59,1870 525.59,1970
  Bottom Layer w20: R13.1 445,1920 v1(495,1970)
  other v1: 475,1950
pads on no net: encoder1.5 encoder1.6 encoder2.5 encoder2.6 encoder3.5 encoder3.6 encoder4.5 encoder4.6 ESP01/01S.4 ESP01/01S.6 IMU.1 IMU.6 JP3.7 JP3.8 MyUWB.9 MyUWB.11 SW1.0 U3.4 UL1.4 UL2.4 UL3.4 UL4.4 USBC1. USBC1.0 USBC1.A8 USBC1.B8

## Polygon pours and split planes (outlines as drawn)
GND on Bottom Layer "Bottom Layer-GND" (solid, pour order 14): 0,90 ccw(c84.5,90) 24.75,30.25 35,20 ccw(c83.28,68.28) 83.28,0 3068.58,0 ccw(c3068.58,100) 3139.29,29.29 3140,30 ccw(c3079.64,90.36) 3165,90.36 3165,2923.58 ccw(c3065,2923.58) 3135.71,2994.29 3130,3000 ccw(c3069.64,2939.64) 3069.64,3025 96.42,3025 ccw(c96.42,2925) 25.71,2995.71 20,2990 ccw(c68.28,2941.72) 0,2941.72
NetS1_1 on Bottom Layer "Bottom Layer-NetS1_1" (solid, pour order 4): 0,2030 345,2030 345,1785 0,1785
no net on Bottom Layer "Bottom Layer-No Net" (solid, pour order 2): 0,2075
no net on Bottom Layer "Bottom Layer-No Net 1" (solid, pour order 0): 5,2025
GND on Top Layer "Top Layer-GND" (solid, pour order 6): 0,2930 0,90 ccw(c84.5,90) 24.75,30.25 35,20 ccw(c83.28,68.28) 83.28,0 3068.58,0 ccw(c3068.58,100) 3139.29,29.29 3140,30 ccw(c3079.64,90.36) 3165,90.36 3165,2928.58 ccw(c3065,2928.58) 3135.71,2999.29 3135,3000 ccw(c3074.64,2939.64) 3074.64,3025 90.36,3025 ccw(c90.36,2939.64) 30,3000 28.28,2998.28 ccw(c96.57,2930)
GND on Signal "Signal-GND" (solid, pour order 10): 0,2930 0,101.42 ccw(c100,101.42) 29.29,30.71 35,25 ccw(c95.36,85.36) 95.36,0 3063.58,0 ccw(c3063.58,100) 3134.29,29.29 3145,40 ccw(c3096.72,88.28) 3165,88.28 3165,2928.58 ccw(c3065,2928.58) 3135.71,2999.29 3130,3005 ccw(c3081.72,2956.72) 3081.72,3025 96.42,3025 ccw(c96.42,2925) 25.71,2995.71 25,2995 ccw(c85.36,2934.64) 0,2934.64 0,2930
no net on Signal "Signal-No Net" (solid, pour order 8): 0,2930
GND on Power "Power-GND" (solid, pour order 12): 0,96.42 ccw(c100,96.42) 29.29,25.71 35,20 ccw(c83.28,68.28) 83.28,0 3063.58,0 ccw(c3063.58,100) 3134.29,29.29 3140,35 ccw(c3079.64,95.36) 3165,95.36 3165,2928.58 ccw(c3065,2928.58) 3135.71,2999.29 3130,3005 ccw(c3081.72,2956.72) 3081.72,3025 96.42,3025 ccw(c96.42,2925) 25.71,2995.71 20,2990 ccw(c68.28,2941.72) 0,2941.72

## Silkscreen, mask and mechanical layers (free items; w line width, h text height)
Top Overlay:
  drawing of 894 lines, arcs and shapes, not listed
  text "G" at 905,2875 h30
  text "G" at 1045,2875 h30
  text "G" at 2375,2875 h30
  text "STEER" at 715,2860 h40
  text "ICM20602" at 1995,2860 h40
  text "ULTRASPNIC" at 1120,2855 h40
  text "ENCODER" at 1170,2435 h40 r90
  text "ENCODER" at 2285,2435 h40 r90
  text "GPS" at 3015,2350 h40 r90
  text "G" at 3020,2265 h30
  text "G" at 145,1270 h30 r270
  text "G" at 330,1250 h30
  text "ULTRASPNIC" at 415,1250 h40
  text "G" at 650,1080 h30
  text "TFT" at 160,970 h60 r270
  text "G" at 3055,925 h30
  text "STEER" at 475,910 h40
  text "ULTRASPNIC" at 2600,745 h40 r90
  text "G" at 2905,670 h30
  text "G" at 2585,665 h30
  text "IMU901" at 3035,520 h40 r90
  text "G" at 3045,425 h30 r90
  text "STEER" at 2605,390 h40 r90
  text "UWB/ESP" at 1820,330.71 h40
  text "ENCODER" at 830,325 h40
  text "ESP01/01S" at 1240,325 h40
  text "G" at 2115,325 h30
  text "ENCODER" at 2340,325 h40
  text "G" at 785,280 h30
  text "G" at 2305,280 h30
  text "G" at 2670,265 h30
  text "G" at 2825,260 h30
  text "G" at 1585,15 h30
Bottom Overlay:
  text "GND" at 380,2165 h60 r270
  text "VCC" at 380,1890 h60 r270
Bottom Solder:
  rectangle: 0,2180 320,2305
  rectangle: 0,1905 320,2030
Mechanical 1:
  the board outline again, w10

## Text inside footprints (layer, text, board x,y; h text height)
U1: Top Overlay "CLK DIO" at 2298.5,1988.5 h25; Top Overlay "VBAT GND" at 2283.5,1943.5 h25; Top Overlay "GND BOOT0" at 2273.5,2053.5 h25; Top Overlay "GND 3V3" at 2298.5,2098.5 h25; Top Overlay "BOOT1" at 2183.5,2158.5 h40; Top Overlay "RST" at 1123.5,2148.5 h40; Top Overlay "A4 A5" at 1188.5,1038.5 h23; Top Overlay "A12 A15" at 2118.5,1828.5 h23; Top Overlay "V1.2" at 1948.5,1023.5 h25; Top Overlay "C4" at 1258.5,898.5 h23; Top Overlay "B0" at 1358.5,898.5 h23; Top Overlay "BOOT1" at 1428.5,898.5 h23; Top Overlay "E8" at 1558.5,898.5 h23; Top Overlay "E10" at 1658.5,898.5 h23; Top Overlay "E12" at 1758.5,898.5 h23; Top Overlay "E14" at 1858.5,898.5 h23; Top Overlay "B11" at 1958.5,898.5 h23; Top Overlay "B13" at 2053.5,898.5 h23; Top Overlay "B15" at 2158.5,898.5 h23; Top Overlay "C5" at 1258.5,863.5 h23; Top Overlay "B1" at 1358.5,863.5 h23; Top Overlay "E7" at 1458.5,863.5 h23; Top Overlay "E9" at 1558.5,863.5 h23; Top Overlay "E11" at 1658.5,863.5 h23; Top Overlay "E13" at 1758.5,863.5 h23; Top Overlay "E15" at 1858.5,863.5 h23; Top Overlay "B10" at 1958.5,863.5 h23; Top Overlay "B12" at 2058.5,863.5 h23; Top Overlay "B14" at 2158.5,863.5 h23; Top Overlay "E1" at 1253.5,1873.5 h23; Top Overlay "B9" at 1353.5,1873.5 h23; Top Overlay "B7" at 1453.5,1873.5 h23; Top Overlay "B5" at 1553.5,1873.5 h23; Top Overlay "B3" at 1653.5,1873.5 h23; Top Overlay "D6" at 1753.5,1873.5 h23; Top Overlay "D4" at 1853.5,1873.5 h23; Top Overlay "D2" at 1953.5,1873.5 h23; Top Overlay "D0" at 2053.5,1873.5 h23; Top Overlay "C11" at 2153.5,1873.5 h23; Top Overlay "C10" at 2153.5,1913.5 h23; Top Overlay "C12" at 2053.5,1913.5 h23; Top Overlay "D1" at 1953.5,1913.5 h23; Top Overlay "D3" at 1853.5,1913.5 h23; Top Overlay "D5" at 1753.5,1913.5 h23; Top Overlay "D7" at 1653.5,1913.5 h23; Top Overlay "B4" at 1553.5,1913.5 h23; Top Overlay "B6" at 1453.5,1913.5 h23; Top Overlay "B8" at 1353.5,1913.5 h23; Top Overlay "E0" at 1253.5,1913.5 h23; Top Overlay "3V3 GND" at 2113.5,1728.5 h23; Top Overlay "A11 A10" at 2123.5,1628.5 h23; Top Overlay "A9 A8" at 2156.83,1528.5 h23; Top Overlay "C9 C8" at 2156.83,1428.5 h23; Top Overlay "C6 C7" at 2158.5,1333.5 h23; Top Overlay "D14 D15" at 2118.5,1228.5 h23; Top Overlay "D12 D13" at 2122.34,1128.5 h23; Top Overlay "D10 D11" at 2123.5,1028.5 h23; Top Overlay "D8 D9" at 2158.5,928.5 h23; Top Overlay "A6 A7" at 1188.5,933.5 h23; Top Overlay "A2 A3" at 1188.5,1133.5 h23; Top Overlay "A0 A1" at 1188.5,1233.5 h23; Top Overlay "C2 C3" at 1188.5,1333.5 h23; Top Overlay "C0 C1" at 1188.5,1433.5 h23; Top Overlay "GND 3V3" at 1188.5,1533.5 h17; Top Overlay "E6 C13" at 1188.5,1633.5 h23; Top Overlay "E4 E5" at 1188.5,1733.5 h23; Top Overlay "E2 E3" at 1188.5,1833.5 h23; Top Overlay "CH32V307" at 1618.5,1038.5 h30